# Altium PCB PCB.PcbDoc (part 2 of 4)
Units mil, origin at the board's own origin, x right, y up, seen from the top; angles counter-clockwise.
Board outline 6299.21 x 7637.8 mil, 2 copper layers (Top Layer, Bottom Layer); 456 components, 297 nets, 1240 pads, 557 vias.
Unrouted connection lines stored in the file: 247.
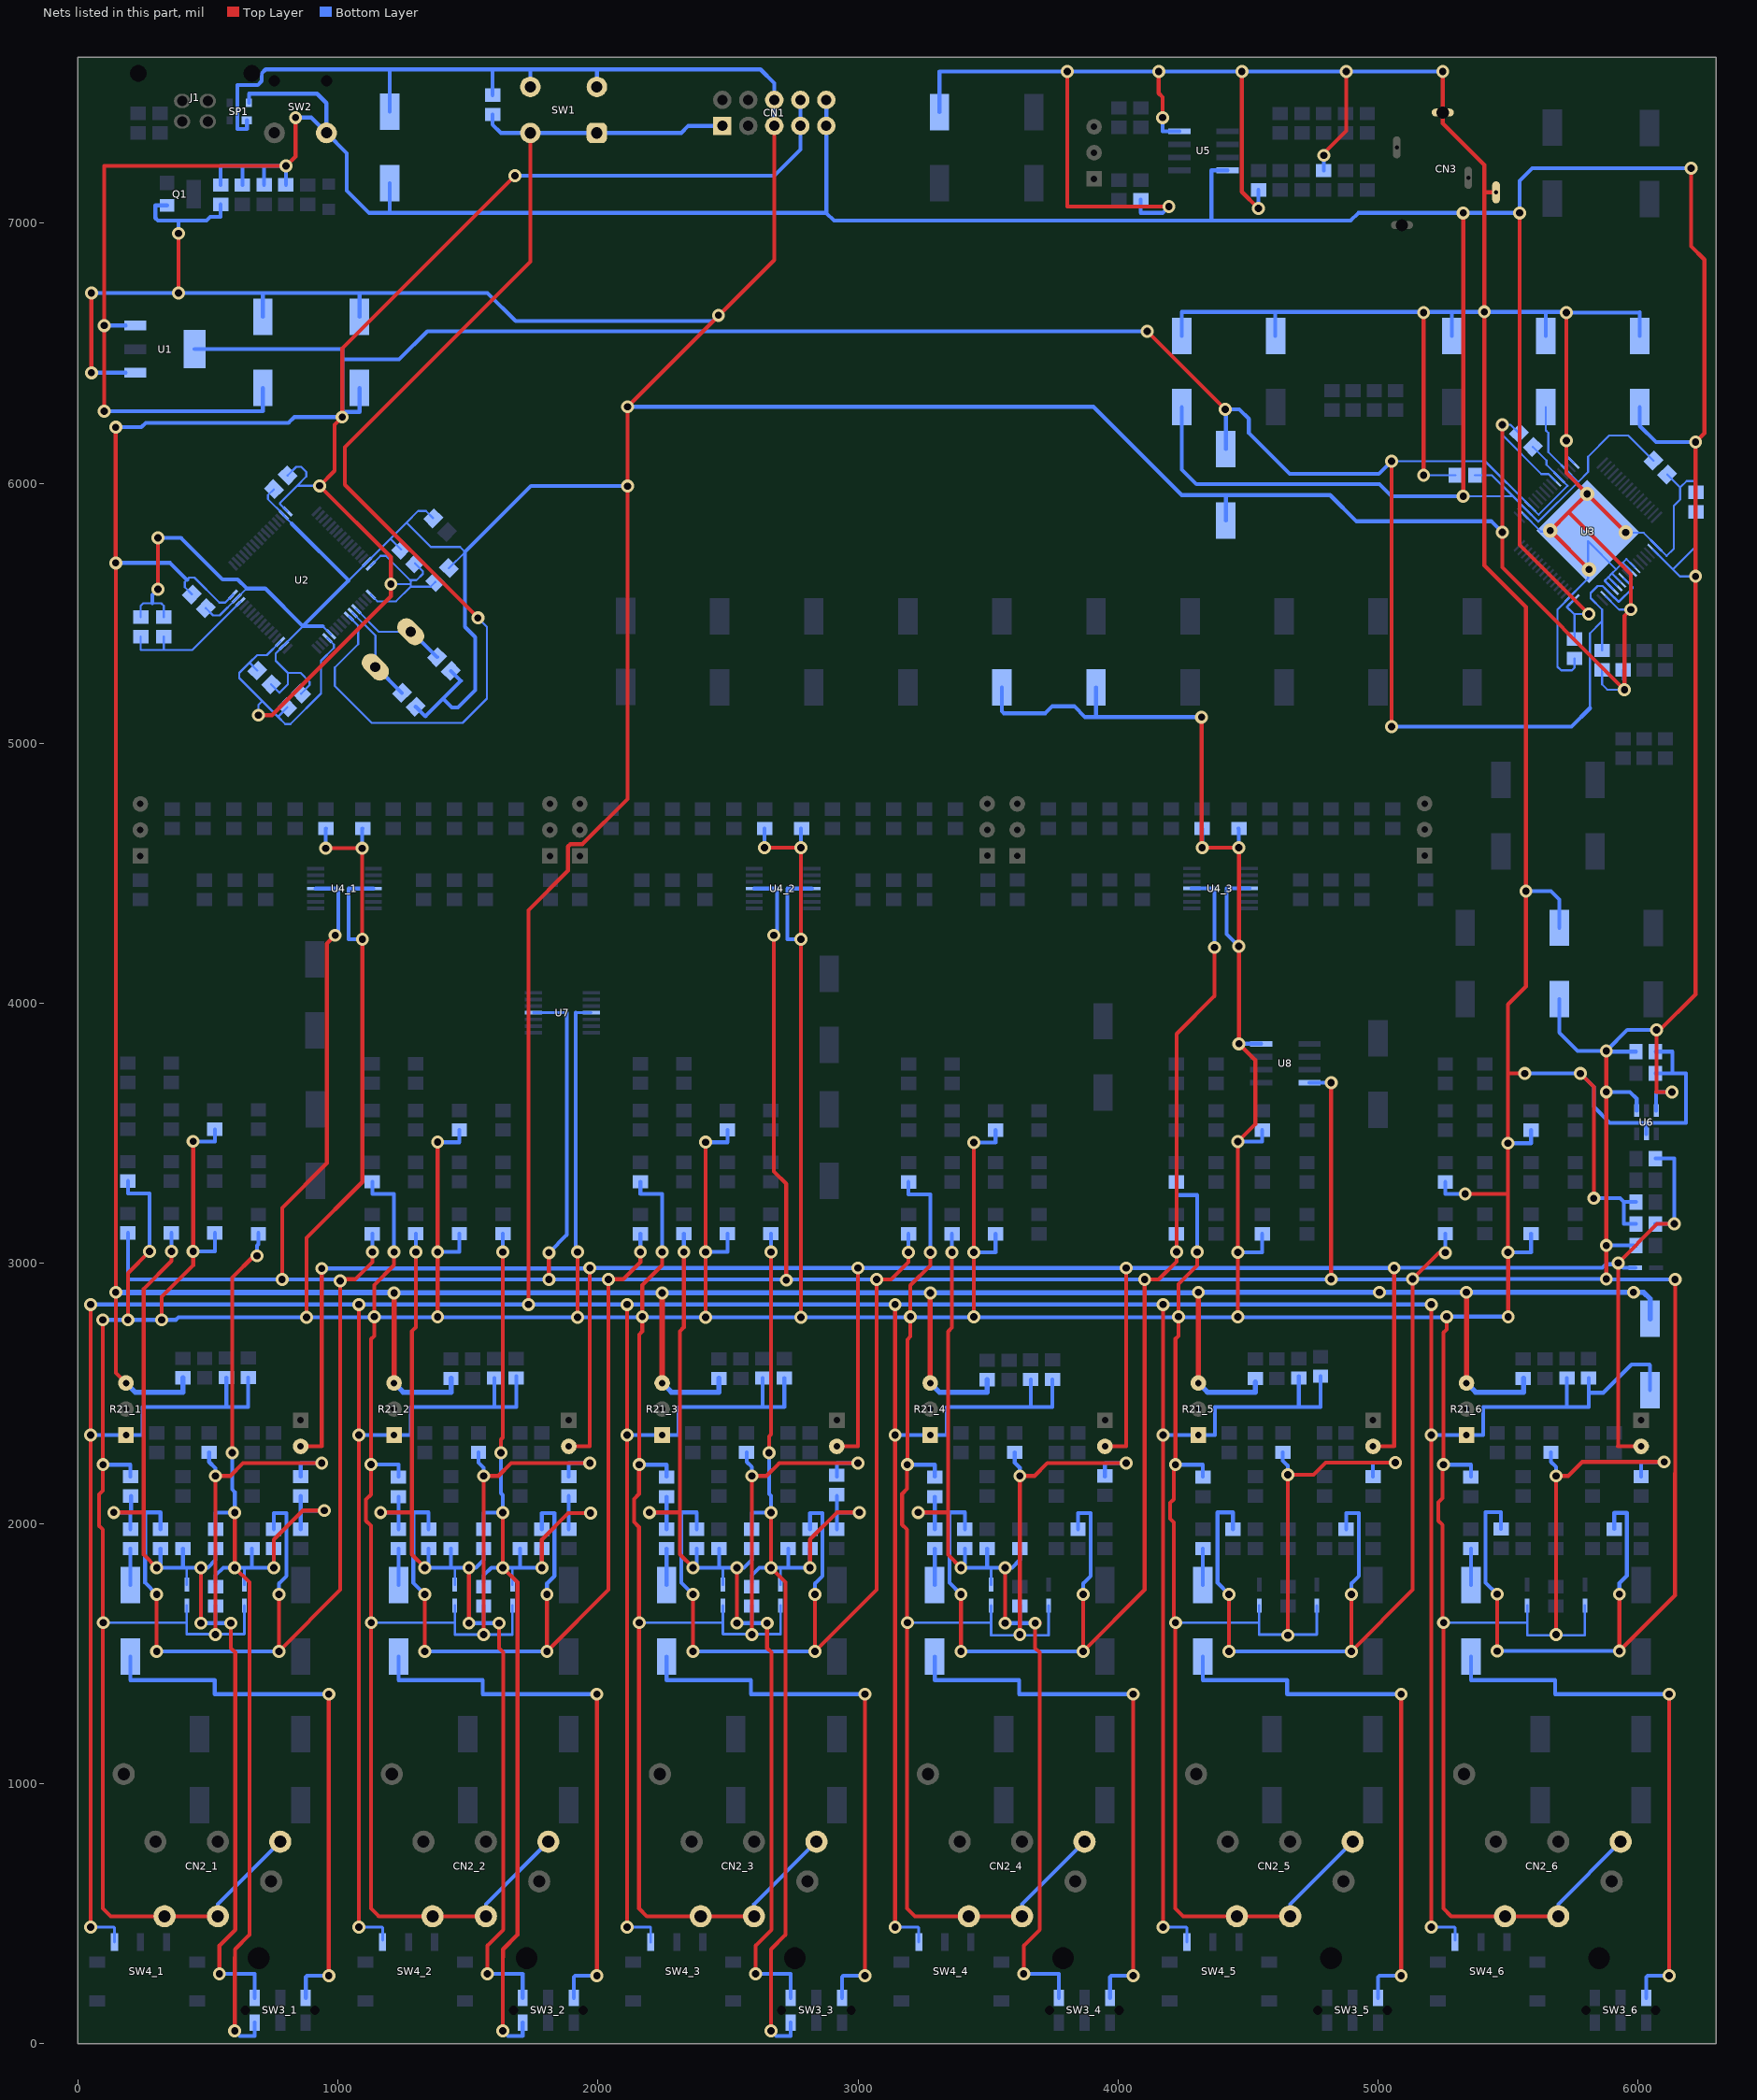
[diagram p2: the nets of this part, all layers, seen from the top]

## Part data
B1: "Conecta distintos planos de masa por una pista"
C3 C4 C5 C6 C7 C8 C9 C10 C11 C12 C13 C15 C17_1 C17_2 C17_3 C17_4 C17_5 C17_6 C21 C22 C25 C26 C29 C30 C49_1 C49_2 C49_3 C49_4 C49_5 C49_6 C50_1 C50_2 C50_3 C50_4 C50_5 C50_6 C51_1 C51_2 C51_3 C52_1 C52_2 C52_3 C53_1 C53_2 C53_3 C54_1 C54_2 C54_3 C55_1 C55_2 C55_3 C56_1 C56_2 C56_3 C59_1 C59_2 C59_3 C60_1 C60_2 C60_3 C61 C63 C66 C68 C69 C70 C71 C72 C73 C74 C75 C76 C77 C78 C79 C80 C81 C82 C83 C84 C85 C86 C87 C88 C89_1 C89_2 C89_3 C89_4 C89_5 C89_6 C90_1 C90_2 C90_3 C90_4 C90_5 C90_6 C91_1 C91_2 C91_3 C91_4 C91_5 C91_6 C92_1 C92_2 C92_3 C92_4 C92_5 C92_6 C93_1 C93_2 C93_3 C93_4 C93_5 C93_6: "Capacitor de placas paralelas", tolerancia=X7R, Encapsulado=0805, tension=25V, Valor=100nF
CN1: "STLINK V2 Mini"
D1: library part Led, Color=Verde, Cod. Proveedor=67-1549-1-ND, Encapsulado=SMD, Link=https://www.digikey.com/product-detail/es/SML-LX0603GW-TR/67-1549-1-ND/304360?utm_campaign=buynow&WT.z_cid=ref_octopart_dkc_buynow&utm_medium=aggregator&curr=usd&site=us&utm_source=octopart, Proveedor=Digi-Key
D2 D3_1 D3_2 D3_3 D3_4 D3_5 D3_6 D4_1 D4_2 D4_3 D4_4 D4_5 D4_6: library part "Schottky Diode", Cod. Proveedor=1727-5845-1-ND, Encapsulado=SOD-128, Fabricante=Nexperia, Link=https://www.digikey.com/product-detail/es/PMEG6010EP,115/1727-5845-1-ND/2697507?utm_campaign=buynow&WT.z_cid=ref_octopart_dkc_buynow&utm_medium=aggregator&curr=usd&site=us&utm_source=octopart, Proveedor=Digi-Key
J1: "Conector micro USB tipo B", Cod. Proveedor=CO4821095, Encapsulado="SMD B TYPE SIDE ENTRY", Proveedor=Elemon
L1: library part Inductor, Cod. Proveedor=478-7137-1-ND, Encapsulado=SMD, Fabricante="AVX Corporation", Link=https://www.digikey.com/product-detail/es/L0201R68AHSTR/500/478-7137-1-ND/3455469?utm_campaign=buynow&WT.z_cid=ref_octopart_dkc_buynow&utm_medium=aggregator&curr=usd&site=us&utm_source=octopart, Proveedor=Digi-Key, Valor=0.68nH
Q1: library part NPN, "NPN", Cod. Proveedor=1727-2918-1-ND, Encapsulado=TO-236AB, Fabricante="Nexperia USA Inc.", Link=https://www.digikey.com/products/es?keywords=1727-2918-1-ND, Proveedor=Digi-Key
R1 R8_1 R8_2 R8_3 R8_4 R8_5 R8_6 R9_1 R9_2 R9_3 R9_4 R9_5 R9_6 R10_1 R10_2 R10_3 R10_4 R10_5 R10_6 R24_1 R24_2 R24_3 R25_1 R25_2 R25_3 R26_1 R26_2 R26_3 R27_1 R27_2 R27_3 R28_1 R28_2 R28_3 R29_1 R29_2 R29_3 R30_1 R30_2 R30_3 R31_1 R31_2 R31_3 R34_1 R34_2 R34_3 R35_1 R35_2 R35_3 R36_1 R36_2 R36_3 R37_1 R37_2 R37_3 R38 R39 R40 R41 R42 R43 R44 R45 R46 R47 R48 R50 R75 R78 R81 R82 R83 R84 R85 R86 R87 R88 R89 R92 R93 R94 R95 R96 R97 R98 R99 R100 R103 R104 R105 R106 R107 R108 R109 R110 R111 R114 R115 R116 R117 R118 R119 R120 R121 R122 R125 R126 R127 R128 R129 R130 R131 R132 R133 R136 R137 R138 R139 R140 R141 R142 R143: "Resistencia", tolerancia=10%, Potencia=1/4W
  R1: Valor=10K
  R8_1 R8_2 R8_3 R8_4 R8_5 R8_6 R34_1 R34_2 R34_3 R35_1 R35_2 R35_3 R39 R43 R47 R81 R85 R92 R97 R103 R107 R114 R118 R125 R129 R136 R140: Valor=1K
  R9_1 R9_2 R9_3 R9_4 R9_5 R9_6: Valor=15K
  R10_1 R10_2 R10_3 R10_4 R10_5 R10_6: Valor=8K2
  R24_1 R24_2 R24_3 R25_1 R25_2 R25_3 R28_1 R28_2 R28_3 R29_1 R29_2 R29_3 R30_1 R30_2 R30_3 R31_1 R31_2 R31_3: Valor=1K5
  R26_1 R26_2 R26_3 R27_1 R27_2 R27_3 R36_1 R36_2 R36_3 R37_1 R37_2 R37_3 R84 R95 R106 R117 R128 R139: Valor=47
  R38 R48 R78 R88 R89 R96 R100 R110 R111 R121 R122 R132 R133 R143: Valor=5K6
  R40 R44 R82 R86 R93 R98 R104 R108 R115 R119 R126 R130 R137 R141: Valor=6K8
  R41 R45: Valor=360R
  R42: Valor=4K7
  R46: Valor=47R
  R50: Valor=100R
  R75: Valor=1M
  R83 R87 R94 R99 R105 R109 R116 R120 R127 R131 R138 R142: Valor=360
R2 R3 R4 R5 R6 R7 R11 R22_1 R22_2 R22_3 R22_4 R22_5 R22_6 R23_1 R23_2 R23_3 R23_4 R23_5 R23_6 R51 R52 R53 R54 R55 R56 R57 R58 R59 R60 R61 R62 R63 R64 R65 R66 R67 R68 R69 R70 R71 R72 R73 R74 R76 R77 R79 R80 R90 R91 R101 R102 R112 R113 R123 R124 R134 R135 R144_1 R144_2 R144_3 R144_4 R144_5 R144_6 R145_1 R145_2 R145_3 R145_4 R145_5 R145_6 R146_1 R146_2 R146_3 R146_4 R146_5 R146_6 R147_1 R147_2 R147_3 R147_4 R147_5 R147_6: "Resistencia", tolerancia=5%
  R2: Potencia=1/10W, Valor=330R
  R3: Potencia=1/10W, Valor=47k
  R4 R5 R6 R7: Potencia=1/10W, Valor=22R
  R11: Potencia=1/10W, Valor=220K
  R22_1 R22_2 R22_3 R22_4 R22_5 R22_6 R144_1 R144_2 R144_3 R144_4 R144_5 R144_6 R147_1 R147_2 R147_3 R147_4 R147_5 R147_6: Potencia=1/4W, Valor=1K
  R23_1 R23_2 R23_3 R23_4 R23_5 R23_6: Potencia=1/4W, Valor=15K
  R51 R52 R53 R54 R55 R56 R57 R58 R59 R60 R61 R62 R63 R64 R65 R66 R67 R68 R69 R70 R71 R72 R73 R74 R79 R80 R90 R91 R101 R102 R112 R113 R123 R124 R134 R135: Potencia=1/4W, Valor=1M
  R76: Potencia=1/4W, Valor=33K
  R77: Potencia=1/4W, Valor=1K8
  R145_1 R145_2 R145_3 R145_4 R145_5 R145_6: Potencia=1/4W, Valor=6K8
  R146_1 R146_2 R146_3 R146_4 R146_5 R146_6: Potencia=1/4W, Valor="6 K8"
R12 R13 R14 R15 R16 R17 R18 R19 R20: "Resistencia", Potencia=1/10W, Valor=100R
R21_1 R21_2 R21_3 R21_4 R21_5 R21_6 R32_1 R32_2 R32_3 R33_1 R33_2 R33_3 R49: library part Potenciometer, tolerancia=10%, Potencia=1/4W, Valor=10K
SP1: library part "Double ESD", "Double rail-to-rail ESD protection diode", Cod. Proveedor=1727-3884-1-ND, Encapsulado=SOT-143B, Link=https://www.digikey.com/product-detail/es/PRTR5V0U2X,215/1727-3884-1-ND/1589981?utm_campaign=buynow&WT.z_cid=ref_octopart_dkc_buynow&utm_medium=aggregator&curr=usd&site=us&utm_source=octopart, Proveedor=Digi-Key
SW1 SW5_1 SW5_2 SW5_3 SW5_4 SW5_5 SW5_6: "Pulsador de 4 pines"
  SW5_1 SW5_2 SW5_3 SW5_4 SW5_5 SW5_6: Cod. Proveedor=GH1365-ND, Encapsulado="Montaje en panel, posterior", Fabricante="Grayhill Inc.", Link=https://www.digikey.com/product-detail/es/30-3/GH1365-ND/686796?utm_campaign=buynow&WT.z_cid=ref_octopart_dkc_buynow&utm_medium=aggregator&curr=usd&site=us&utm_source=octopart, Proveedor=Digi-Key
SW4_1 SW4_2 SW4_3 SW4_4 SW4_5 SW4_6: library part SWITCH_3, "Pulsador de 4 pines", Cod. Proveedor=563-1246-1-ND, Encapsulado=SMD, Fabricante="Nidec Copal Electronics", Link=https://www.digikey.com/product-detail/en/nidec-copal-electronics/CFPA-1FB4-A2T/563-1246-1-ND/2357767, Proveedor=Digi-Key
U1: "LDO Regulator", Cod. Proveedor=LM1117IMP-ADJ/NOPBCT-ND, Encapsulado=SOT-223-4, Fabricante="Texas Instruments", Link=https://www.digikey.com/product-detail/es/LM1117IMP-ADJ-NOPB/LM1117IMP-ADJ-NOPBCT-ND/483060?utm_campaign=buynow&WT.z_cid=ref_octopart_dkc_buynow&utm_medium=aggregator&curr=usd&site=us&utm_source=octopart, Proveedor=Digi-Key
U2: library part STM32F4xxR2, Manufacturer=STMicroelectronics, Manufacturer_Part_Number=stm32f4xxr2, _BOOT0="conectado a VDD o DGND a traves de R=10K", _BOOT0=0="0: Main Flash memory is selected as boot space", _BOOT0=1="1: System memory is selected as boot space", _VDD="Capa de 100nF", Cod. Proveedor=497-17428-ND, Encapsulado=64-LQFP, Link=https://www.digikey.com/product-detail/es/STM32F401RBT6/497-17428-ND/4755972?utm_campaign=buynow&WT.z_cid=ref_octopart_dkc_buynow&utm_medium=aggregator&curr=usd&site=us&utm_source=octopart, Proveedor=Digi-Key, Vendor=STMicroelectronics
U3: library part PCM3168A-Q1_PAP_, Manufacturer="Texas Instruments", Manufacturer_Part_Number=PCM3168A-Q1_PAP_64, Vendor="Texas Instruments"
U4_1 U4_2 U4_3 U7: library part Opamp_x4, "Integrado con 4 operacionales", Cod. Proveedor=296-22024-1-ND, Encapsulado=8-SOIC, Fabricante="Texas Instruments", Link=https://www.digikey.com/product-detail/es/OPA2134UA-2K5/296-22024-1-ND/301154?utm_campaign=buynow&WT.z_cid=ref_octopart_dkc_buynow&utm_medium=aggregator&curr=usd&site=us&utm_source=octopart, Proveedor=Digi-Key
U5: "Integrado con 2 operacionales"
U6: "Low IQ Boost/SEPIC/Inverting Converter with 1A, 60V Switch", Cod. Proveedor=LT8330ES6#TRMPBFCT-ND, Encapsulado=TSOT-23-6, Fabricante="Linear Technology/Analog Devices", Link=https://www.digikey.com/product-detail/es/LT8330ES6%2523TRMPBF/LT8330ES6%2523TRMPBFCT-ND/5361671?utm_campaign=buynow&WT.z_cid=ref_octopart_dkc_buynow&utm_medium=aggregator&curr=usd&site=us&utm_source=octopart, Proveedor=Digi-Key
U8: library part Opamp_x2, "Integrado con 2 operacionales", Cod. Proveedor=296-22024-1-ND, Encapsulado=8-SOIC, Fabricante="Texas Instruments", Link=https://www.digikey.com/product-detail/es/OPA2134UA-2K5/296-22024-1-ND/301154?utm_campaign=buynow&WT.z_cid=ref_octopart_dkc_buynow&utm_medium=aggregator&curr=usd&site=us&utm_source=octopart, Proveedor=Digi-Key
Y1: "Resonador cerámico", frecuencia=8MHZ
C1 C2 C14 C16_1 C16_2 C16_3 C16_4 C16_5 C16_6 C18_1 C18_2 C18_3 C18_4 C18_5 C18_6 C19 C20 C23 C24 C27 C28 C31 C32 C33 C34 C35 C36 C37 C38 C39 C40 C41 C42 C43 C44 C45 C46 C47_1 C47_2 C47_3 C47_4 C47_5 C47_6 C48_1 C48_2 C48_3 C48_4 C48_5 C48_6 C57_1 C57_2 C57_3 C58_1 C58_2 C58_3 C62 C64 C65 C67: tension=16V, Valor=10uF
SW2: Cod. Proveedor=EG2615-ND, Encapsulado=SMD, Fabricante=E-Switch, Link=https://www.digikey.com/product-detail/en/e-switch/800SP9B6M6RE/EG2615-ND/502079, Proveedor=Digi-Key
SW3_1 SW3_2 SW3_3 SW3_4 SW3_5 SW3_6: Cod. Proveedor=CKN10722TR-ND, Encapsulado=SMD, Fabricante=C&K, Link=https://www.digikey.com/product-detail/en/c-k/JS202011JAQN/CKN10722TR-ND/6137629, Proveedor=Digi-Key

## Via types
v1: diameter 50, hole 28, Top Layer to Bottom Layer, 553 vias
v2: diameter 55.12, hole 27.56, Top Layer to Bottom Layer, 4 vias

## Nets (pads, with @x,y where several pads share a name; then routed paths per layer and width w, separated by ;. In a path a pad name is that pad's centre, name@x,y a point inside that pad or via, vN(x,y) a via of type N, cw(c..) or ccw(c..) an arc to the next point about the centre after c; other vN are vias at no path point)
3V3_D: C2.1 C3.1 C4.1 C7.1 C8.1 C9.1 C10.1 C20.1 C22.1 C24.1 C26.1 CN1.7 CN1.8 R21_1.3 R21_2.3 R21_3.3 R21_4.3 R21_5.3 R21_6.3 R22_1.2 R22_2.2 R22_3.2 R22_4.2 R22_5.2 R22_6.2 U1.4 U2.1 U2.13 U2.19 U2.32 U2.48 U2.64 U3.4 U3.12 U3.42 U3.46 | length 30027
  Top Layer w15: v1@145.21,2888.74 145.21,2579.39 R21_1.3@184.55,2540.06 ; v1(145.18,2888.78) v1(145.18,2888.78) v1(145.23,5693.9) ; v1(145.23,5693.9) v1@145.18,6227.85 ; v1(693.9,5108.27) 745.57,5108.27 1203.25,5565.94 v1(1203.25,5612.7) 1203.25,5716.04 v1(928.89,5990.4) 986.71,6048.23 986.71,6225.39 v1(1016.24,6254.92) 1016.24,6518.21 v1(1680.61,7182.58) ; v1(4111.71,6584.65) v1(4411.91,6284.45) ; v1(5051.67,5063.98) v1(5051.67,6085.14)
  Top Layer w20: R21_2.3@1215.55,2540.06 v1(1215.55,2886.32) ; R21_3.3@2246.55,2540.06 v1(2246.55,2886.74) ; R21_4.3@3277.56,2540.06 v1(3277.56,2886.74) ; R21_5.3@4308.56,2540.06 v1(4308.56,2888.78) ; R21_6.3@5339.57,2540.06 v1(5339.57,2888.78)
  Bottom Layer w8: C8.1@438.61,5572.71 410.93,5600.39 410.93,5620.08 419.54,5628.69 428.15,5637.3 447.83,5637.3 543.8,5541.34 566.39,5541.34 U2.32@596.83,5571.78 ; C4.1@689.6,5279.89 659.45,5310.04 ; v1(693.9,5108.27) 693.9,5148.1 706.97,5161.17 709.89,5161.17 ; U2.19@777.79,5390.83 726.52,5339.57 688.98,5339.57 659.45,5310.04 ; C7.1@805.25,5138.42 768.95,5102.12 ; U2.48@805.62,5891.93 777.56,5920 777.56,5925.2 842.77,5990.4 ; C9.1@806.47,6030.38 839.07,6062.99 858.76,6062.99 878.44,6043.31 878.44,6026.08 842.77,5990.4 ; v1(928.89,5990.4) 842.77,5990.4 ; U2.13@958.74,5404.75 984.25,5379.24 984.25,5366.63 935.04,5317.42 935.04,5191.93 816.93,5073.82 797.24,5073.82 768.95,5102.12 ; U2.1@1125.77,5571.78 1151.29,5546.26 1222.93,5546.26 1279.53,5602.85 ; U2.64@1125.77,5683.14 1163.6,5720.96 1183.56,5720.96 1277.07,5627.46 1301.67,5627.46 1326.28,5652.07 1326.28,5661.91 C10.1@1296.13,5692.06 ; v1(1203.25,5612.7) 1279.53,5612.7 ; 1284.45,5627.46 1279.53,5622.54 1279.53,5612.7 ; C3.1@1373.65,5620.7 1355.81,5602.85 1279.53,5602.85 ; v1(5051.67,6085.14) 5411.14,6085.14 U3.4@5585.07,5911.21 5617.3,5878.98 5728.66,5990.33 U3.12@5696.43,6022.56 5647.15,6071.85 5647.15,6087.6 C26.1@5594.85,6139.89 ; 5814.47,5135.33 5814.47,5423.23 5858.76,5467.52 ; C22.1@5861.22,5357.28 5861.22,5514.27 5816.93,5558.56 5816.93,5578.25 5844,5605.31 5863.13,5605.31 U3.46@5889.91,5578.53 5924.64,5543.8 5925.2,5543.8 5979.33,5597.93 5979.33,5600.47 U3.42@5945.58,5634.21 ; 659.45,5310.04 620.08,5270.67 620.08,5250.98 709.89,5161.17 ; 709.89,5161.17 768.95,5102.12 ; 1279.53,5602.85 1279.53,5612.7
  Bottom Layer w15: v1(145.18,6215.55) 243.6,6215.55 260.83,6232.78 809.55,6232.78 831.69,6254.92 v1(1016.24,6254.92) v1@1016.24,6274.61 ; v1(145.23,5693.9) 354.33,5693.9 419.54,5628.69 ; U1.4@448.82,6515.75 1016.24,6515.75 1016.24,6476.38 ; C2.1@1082.67,6366.44 1082.67,6274.61 v1@1016.24,6274.61 ; v1(1680.61,7182.58) 2677.17,7182.58 2777.85,7283.27 CN1.7@2777.85,7374.51 CN1.8@2777.85,7474.51 ; v1(4111.71,6584.65) 1343.5,6584.65 1235.24,6476.38 1016.24,6476.38 ; C24.1@4414.37,6131.09 4414.37,6281.99 v1(4411.91,6284.45) 4466.04,6284.45 4502.95,6247.54 4502.95,6193.41 4660.43,6035.93 5002.46,6035.93 v1(5051.67,6085.14) ; v1@5066.44,5063.98 5743.11,5063.98 5814.47,5135.33 ; v1@1016.24,6274.61 1016.24,6476.38
  Bottom Layer w20: v1(145.18,2888.78) 145.92,2888.04 1214.81,2888.04 v1@1215.55,2888.78 ; R21_1.3@184.55,2540.06 219.69,2504.92 403.54,2504.92 R22_1.2@403.54,2560.14 ; R21_2.3@1215.55,2540.06 1250.69,2504.92 1434.55,2504.92 R22_2.2@1434.55,2557.68 ; v1(1215.55,2886.32) 1216.26,2887.03 2129.86,2887.03 2130.15,2886.74 v1(2246.55,2886.74) 2246.84,2887.03 3160.86,2887.03 3161.15,2886.74 v1(3277.56,2886.74) 3277.84,2887.03 4191.87,2887.03 4192.15,2886.74 v1@4308.56,2886.74 ; R21_3.3@2246.55,2540.06 2281.69,2504.92 2465.55,2504.92 R22_3.2@2465.55,2557.68 ; R21_4.3@3277.56,2540.06 3312.7,2504.92 3496.56,2504.92 R22_4.2@3496.56,2552.76 ; R21_5.3@4308.56,2540.06 4343.7,2504.92 4527.56,2504.92 R22_5.2@4527.56,2542.91 ; v1(4308.56,2888.78) v1(5004.92,2888.78) v1(5339.57,2888.78) v1(5981.79,2888.78) 6021.16,2888.78 6045.77,2864.17 C20.1@6045.77,2787.1 ; R21_6.3@5339.57,2540.06 5374.7,2504.92 5558.56,2504.92 R22_6.2@5558.56,2557.68
5V: C1.1 C14.1 C15.1 C19.1 C21.1 C23.1 C25.1 C27.1 C28.1 C29.1 C30.1 C68.1 CN1.9 CN1.10 L1.1 R2.2 R3.2 R4.1 R51.1 R53.1 R55.1 R57.1 R59.1 R61.1 R63.1 R65.1 R67.1 R69.1 R71.1 R73.1 R79.1 R90.1 R101.1 R112.1 R123.1 R134.1 SP1.4 SW2.2 U1.3 U3.3 U3.14 U3.34 U3.49 U4_1.4 U4_2.4 U4_3.4 U5.4 U6.4 U6.6 U7.4 U8.8 | length 57050.8
  Top Layer w15: v1@302.66,1510.83 v1(302.66,1727.36) ; v1(772.64,1727.36) v1(772.64,1508.37) 1008.86,1744.59 v1(1008.85,2933.04) ; v1(784.94,2937.99) 784.94,3213.58 957.18,3385.83 957.18,4229.82 v1(989.17,4261.81) ; v1(836.61,7406.5) 836.61,7257.19 v1(799.7,7220.28) 100.89,7220.28 v1(100.89,6606.79) v1@100.89,6589.57 ; v1@1008.86,2938.98 1065.45,2938.98 1131.89,3005.41 v1(1131.89,3043.8) ; v1@1333.66,1510.83 v1(1333.66,1727.36) ; v1(1803.64,1727.36) v1(1803.64,1508.37) 2039.86,1744.59 v1(2039.86,2937.99) ; v1@1811,2933.04 v1(1811,2937.99) v1(1811,3041.32) ; v1@2039.86,2938.98 2096.46,2938.98 2162.89,3005.41 v1(2162.89,3043.8) ; v1@2364.67,1510.83 v1(2364.67,1727.36) ; v1(2676.04,4261.81) 2676.04,3353.84 2723.92,3305.97 v1(2723.92,2935.53) ; v1(2834.65,1727.36) v1(2834.65,1508.37) 3070.87,1744.59 v1(3070.87,2937.99) 3127.46,2937.99 3193.9,3004.43 v1(3193.9,3042.81) ; v1@3395.67,1510.83 v1(3395.67,1727.36) ; v1(3865.65,1727.36) v1(3865.65,1508.37) 4101.87,1744.59 v1(4101.87,2937.99) 4156,2937.99 4224.76,3006.75 v1(4224.76,3043.94) 4224.76,3882.74 4370.57,4028.54 v1(4370.57,4215.06) ; v1@4424.21,1508.37 4426.67,1510.83 v1(4426.67,1727.36) ; v1(4819.19,2939.27) v1(4819.19,3694.68) ; v1(4896.65,1727.36) v1(4896.65,1508.37) 5132.87,1744.59 v1(5132.87,2940.45) 5233.76,3041.34 v1(5258.37,3041.34) ; v1(5327.26,5949.8) v1(5327.26,7039.86) ; v1@5457.68,1511.62 v1(5457.68,1728.16) ; v1(5543.8,7039.86) 5543.8,5762.8 v1(5809.55,5497.05) ; v1@5877.34,2926.8 v1(5877.34,2940.45) v1(5877.34,3659.54) v1(5877.34,3817.02) ; v1(5927.66,1728.16) v1(5927.66,1509.16) 6141.73,1723.24 6141.73,2192.42 6142.4,2193.09 6142.4,2937.32 v1(6141.73,2937.99) ; 6069.79,3659.54 6070.37,3658.96 ; v1(6129.43,3658.96) 6070.37,3658.96 ; v1(6203.25,7212.11) 6203.25,6911.91 6254.92,6860.24 6254.92,6192.85 v1(6220.47,6158.4) v1(6220.47,5642.22) 6220.47,4034.91 6078.28,3892.72 6073.36,3897.64 v1(6070.37,3897.64) 6070.37,3658.96 ; v1@100.89,6589.57 v1(100.89,6277.07) v1@100.89,6589.57
  Bottom Layer w8: v1(5327.26,5949.8) 5518.64,5949.8 ; C25.1@5372.05,6031 5437.44,6031 5518.64,5949.8 ; C27.1@5644.69,6292.63 5644.69,6203.25 5654.53,6193.41 5654.53,6120.14 U3.14@5724.27,6050.4 5769.22,6005.44 ; U3.49@5752.1,5550.7 5725.89,5524.48 5753.31,5497.05 ; C29.1@5755.41,5401.57 5755.41,5494.95 5753.31,5497.05 ; v1(5809.55,5497.05) 5753.31,5497.05 ; U3.34@6056.94,5745.57 6133.22,5669.29 ; C30.1@6058.69,6086.98 5962.11,6183.56 5888.29,6183.56 5807.09,6102.36 5807.09,6043.31 5769.22,6005.44 ; v1(6220.47,5642.22) 6160.28,5642.22 6133.22,5669.29 ; C21.1@6222.93,5890.26 6222.93,5759.01 6133.22,5669.29 ; 5518.64,5949.8 U3.3@5571.15,5897.29 5616.11,5852.33 5769.22,6005.44
  Bottom Layer w10: U7.4@1751.7,3964.07 1879.92,3964.07
  Bottom Layer w15: v1(100.89,6277.07) 123.03,6277.07 711.12,6277.06 C1.1@711.12,6366.44 ; v1(100.89,6606.79) 183.07,6606.79 U1.3@183.56,6606.3 ; R79.1@191.93,3117.13 191.93,2937.99 452.76,2937.99 453.34,2938.57 453.34,2937.99 v1(784.94,2937.99) v1@1008.86,2937.99 ; v1(302.66,1508.37) v1(772.64,1508.37) ; v1(302.66,1727.36) 258.37,1771.65 258.37,2042.32 317.42,2042.32 R51.1@317.42,1978.04 ; C15.1@548.72,7146.96 548.72,7220.28 632.38,7220.28 ; R3.2@632.38,7146.96 632.38,7220.28 ; SP1.4@657.48,7462.9 657.48,7498.33 919.48,7498.33 955.41,7462.4 SW2.2@955.41,7347.55 ; R4.1@715.94,7147.64 715.94,7220.28 ; R53.1@752.95,1978.04 752.95,2039.86 801.3,2039.86 801.3,1797.85 772.64,1769.19 v1(772.64,1727.36) ; R2.2@799.6,7147.64 799.7,7147.75 v1(799.7,7220.28) 715.94,7220.28 ; v1(836.61,7406.5) 896.46,7406.5 SW2.2@955.41,7347.55 ; U4_1.4@913.74,4441.44 1001.48,4441.44 1001.48,4274.11 v1(989.17,4261.81) ; v1(1008.85,2933.04) v1@1008.85,2937.98 ; v1(1131.89,3043.8) R90.1@1131.89,3114.67 ; C14.1@1198.33,7154.64 1198.33,7039.86 ; v1(1333.66,1508.37) v1(1803.64,1508.37) ; v1(1333.66,1727.36) 1289.37,1771.65 1289.37,2042.32 1348.43,2042.32 R55.1@1348.43,1978.04 ; R57.1@1783.96,1978.04 1783.96,2039.86 1832.3,2039.86 1832.3,1797.85 1803.64,1769.19 v1(1803.64,1727.36) ; v1(1811,3041.32) 1879.92,3110.24 1879.92,3964.07 ; v1(2162.89,3043.8) R101.1@2162.89,3114.67 ; v1(2364.67,1508.37) v1(2834.65,1508.37) ; v1(2364.67,1727.36) 2320.37,1771.65 2320.37,2042.32 2379.43,2042.32 R59.1@2379.43,1978.04 ; U4_2.4@2600.61,4441.44 2688.35,4441.44 v1@2688.35,4274.11 ; R61.1@2814.96,1978.04 2814.96,2039.86 2863.31,2039.86 2863.31,1797.85 2834.65,1769.19 v1(2834.65,1727.36) ; CN1.10@2877.85,7474.51 CN1.9@2877.85,7374.51 2877.85,7039.86 ; v1(3193.9,3042.81) R112.1@3193.9,3113.68 ; v1(3395.67,1508.37) v1(3865.65,1508.37) ; v1(3395.67,1727.36) 3351.38,1771.65 3351.38,2042.32 3410.43,2042.32 R63.1@3410.43,1978.04 ; R65.1@3845.96,1978.04 3845.96,2039.86 3894.31,2039.86 3894.31,1797.85 3865.65,1769.19 v1(3865.65,1727.36) ; v1(4224.76,3043.94) R123.1@4224.76,3113.68 ; C28.1@4244.59,6292.63 4244.59,6053.15 4301.18,5996.56 5004.92,5996.56 5051.67,5949.8 v1(5327.26,5949.8) ; U4_3.4@4282.84,4441.93 4370.57,4441.93 v1(4370.57,4215.06) ; U5.4@4421.25,7203.54 4359.05,7203.54 4359.05,7010.33 ; v1@4424.21,1508.37 v1(4426.67,1508.37) v1(4896.65,1508.37) ; v1(4426.67,1727.36) 4382.38,1771.65 4382.38,2042.32 4441.44,2042.32 R67.1@4441.44,1978.04 ; U8.8@4736.21,3694.68 v1(4819.19,3694.68) ; v1@4817.91,2937.85 1044.03,2937.85 1043.89,2937.99 v1@1008.86,2937.99 ; v1@4819.19,2937.85 v1@5132.87,2937.85 ; R69.1@4876.97,1978.04 4876.97,2039.86 4925.31,2039.86 4925.31,1797.85 4896.65,1769.19 v1(4896.65,1727.36) ; v1(5132.87,2940.45) v1(5877.34,2940.45) 5879.8,2937.99 v1(6141.73,2937.99) ; v1(5258.37,3041.34) R134.1@5258.37,3114.67 ; v1(5457.68,1509.16) v1(5927.66,1509.16) ; v1(5457.68,1728.16) 5413.39,1772.45 5413.39,2043.12 5472.44,2043.12 R71.1@5472.44,1978.84 ; C19.1@5696.36,4016.54 5696.36,3887.8 5767.14,3817.02 v1(5877.34,3817.02) 5957.96,3897.64 v1(6070.37,3897.64) ; v1(5877.34,3068.99) 5990.56,3068.99 L1.1@5991.14,3068.41 ; v1(5877.34,3659.54) 5968,3659.54 5994.09,3633.44 U6.4@5994.09,3587.6 ; v1@5879.8,3814.56 C68.1@5991.61,3814.56 ; R73.1@5907.97,1978.84 5907.97,2040.66 5956.32,2040.66 5956.32,1798.65 5927.66,1769.99 v1(5927.66,1728.16) ; C23.1@6006.4,6292.63 6006.4,6220.47 6068.47,6158.4 v1(6220.47,6158.4) ; U6.6@6068.9,3587.6 6068.9,3658.96 v1(6129.43,3658.96) ; v1(6203.25,7212.11) 5593.01,7212.11 5543.8,7162.89 v1(5543.8,7039.86) v1(5327.26,7039.86) 4923.72,7039.86 4894.19,7010.33 4359.05,7010.33 ; 632.38,7220.28 715.94,7220.28 ; SW2.2@955.41,7347.55 1033.46,7269.5 1033.46,7125.98 1119.59,7039.86 1198.33,7039.86 ; 1198.33,7039.86 2877.85,7039.86 ; 2877.85,7039.86 2907.38,7010.33 4359.05,7010.33
48V: C69.1 D2.1 R75.2 SW5_1.2 SW5_2.2 SW5_3.2 SW5_4.2 SW5_5.2 SW5_6.2 | length 10373.2
  Top Layer w15: SW5_1.2@856.3,2296.65 937.5,2296.65 v1(937.5,2980.49) ; SW5_2.2@1887.3,2296.65 1968.5,2296.65 v1(1968.5,2982.28) ; SW5_3.2@2918.31,2296.65 2999.51,2296.65 v1(2999.51,2982.28) ; SW5_4.2@3949.31,2296.65 4030.51,2296.65 v1(4030.51,2982.28) ; SW5_5.2@4980.31,2296.65 5061.52,2296.65 v1(5061.52,2982.28) ; SW5_6.2@6011.32,2296.65 5922.16,2296.65 5922.74,2297.23 v1(5922.74,3001.97) 6072.83,3152.07 v1(6139.27,3152.07)
  Bottom Layer w15: v1(937.5,2980.49) v1@1968.5,2980.49 ; v1(1968.5,2982.28) v1(2999.51,2982.28) v1(4030.51,2982.28) v1(5061.52,2982.28) 5062.19,2982.95 5861.89,2982.95 5875.98,2997.05 5909.94,2997.05 v1@5922.16,2984.83 ; v1(5922.74,3001.97) 5941.84,2982.86 D2.1@5988.77,2982.86 ; C69.1@6065.95,3152.07 v1(6139.27,3152.07) 6139.27,3403.49 R75.2@6066.42,3403.49
AGND: B1.1 C19.2 C21.2 C23.2 C25.2 C27.2 C28.2 C29.2 C30.2 C31.2 C32.2 C35.2 C36.2 C59_1.2 C59_2.2 C59_3.2 C60_1.2 C60_2.2 C60_3.2 C66.2 C67.2 C68.2 C69.2 C70.2 C73.2 C77.2 C79.2 C82.2 C85.2 C88.2 C91_1.2 C91_2.2 C91_3.2 C91_4.2 C91_5.2 C91_6.2 CN2_1.1 CN2_1.G CN2_1.S CN2_2.1 CN2_2.G CN2_2.S CN2_3.1 CN2_3.G CN2_3.S CN2_4.1 CN2_4.G CN2_4.S CN2_5.1 CN2_5.G CN2_5.S CN2_6.1 CN2_6.G CN2_6.S CN3.1 CN3.2 D3_1.2 D3_2.2 D3_3.2 D3_4.2 D3_5.2 D3_6.2 D4_1.2 D4_2.2 D4_3.2 D4_4.2 D4_5.2 D4_6.2 R47.1 R48.1 R52.2 R54.2 R56.2 R58.2 R60.2 R62.2 R64.2 R66.2 R68.2 R70.2 R72.2 R74.2 R77.1 R80.2 R88.1 R91.2 R100.1 R102.2 R110.1 R113.2 R121.1 R124.2 R132.1 R135.2 R143.1 U3.2 U3.16 U3.33 U3.39 U3.40 U3.43 U3.44 U3.45 U3.50 U3.EPAD U4_1.11 U4_2.11 U4_3.11 U5.8 U6.2 U7.11 U8.4 | length 73942.2
  Top Layer w8: 5797.24,5824.31 B1.1@5804.63,5816.93
  Top Layer w15: v1@95.58,1618.3 95.58,519.57 125.87,489.28 CN2_1.S@332.8,489.28 CN2_1.G@537.8,489.28 ; v1@95.58,1619.09 95.58,1976.27 81.2,1990.65 81.2,2111.22 95.58,2125.6 v1@95.58,2226.07 ; v1(95.96,2782.97) 95.96,2226.49 v1(96.38,2226.07) ; v1@191.93,2795.28 191.93,2962.6 v1(275.59,3046.26) ; v1(322.34,2782.97) 322.34,2871.56 442.91,2992.13 v1(442.91,3046.26) v1(442.91,3469.49) ; v1(529.03,1572.32) v1(529.04,2182.58) ; v1(529.04,2182.58) 585.63,2182.58 634.84,2231.79 v1(937.5,2231.79) ; v1(878.44,2792.82) 878.44,3097.93 1093.64,3313.13 v1(1093.64,4247.05) 1092.52,4248.17 v1(1092.52,4596.46) v1(952.26,4596.46) ; v1@1126.59,1618.3 1126.59,519.57 1156.88,489.28 CN2_2.S@1363.8,489.28 CN2_2.G@1568.8,489.28 ; v1@1126.59,1619.09 1126.59,1991.03 1107.28,2010.33 1107.28,2091.54 1126.59,2110.84 v1@1126.59,2226.07 ; v1(1126.97,2226.87) 1126.97,2709.15 1139.27,2721.46 v1(1139.27,2795.28) 1139.27,2916.83 1215.55,2993.11 v1(1215.55,3043.8) ; v1(1382.87,2794.86) v1(1382.87,3043.8) v1(1382.87,3467.03) ; v1(1560.03,1572.32) v1(1560.04,2182.58) ; v1(1560.04,2182.58) 1616.63,2182.58 1665.85,2231.79 v1(1968.5,2231.79) ; v1(1921.75,2792.82) v1(1921.75,3043.8) ; v1@2157.59,1618.3 2157.59,519.57 2187.88,489.28 CN2_3.S@2394.8,489.28 CN2_3.G@2599.8,489.28 ; v1@2157.59,1619.09 2157.59,1986.11 2138.29,2005.41 2138.29,2094 2157.59,2113.3 v1@2157.59,2226.07 ; v1(2158.39,2226.07) 2158.39,2726.79 2170.28,2738.68 v1(2170.28,2795.28) 2170.28,2916.83 2246.56,2993.11 v1(2246.56,3043.8) ; v1(2413.88,2792.82) v1(2413.88,3043.8) v1(2413.88,3466.04) ; v1(2591.04,1572.32) v1(2591.04,2182.58) ; v1(2591.04,2182.58) 2647.64,2182.58 2696.85,2231.79 v1(2999.51,2231.79) ; v1(2640.26,4598.92) 2768.21,4598.92 v1@2780.51,4611.22 ; v1(2780.51,2792.82) v1(2780.51,4598.92) ; v1@3188.59,1618.3 3188.59,519.57 3218.89,489.28 CN2_4.S@3425.81,489.28 CN2_4.G@3630.81,489.28 ; v1@3188.59,1619.09 3188.59,1976.27 3169.29,1995.57 3169.29,2113.68 3188.59,2132.98 v1@3188.59,2226.07 ; v1(3189.39,2226.07) 3189.39,2707.11 3201.28,2719 v1(3201.28,2795.28) 3201.28,2915.85 3277.56,2992.13 v1(3277.56,3042.81) ; v1@3444.88,2782.97 v1(3444.88,3042.81) v1(3444.88,3465.06) ; v1(3622.04,1572.32) v1(3622.05,2182.58) ; v1(3622.05,2182.58) 3678.64,2182.58 3727.85,2231.79 v1(4030.51,2231.79) ; v1(3804.13,7583.66) 3804.13,7064.47 v1(4195.37,7064.47) ; v1(4156,7583.66) 4156,7500 4170.77,7485.24 v1(4170.77,7406.5) ; v1@4219.6,1618.3 4219.6,519.57 4249.89,489.28 CN2_5.S@4456.81,489.28 CN2_5.G@4661.81,489.28 ; v1@4219.6,1619.09 4213.93,1624.76 4213.93,2004.08 4200.3,2017.72 4200.3,2079.23 4213.93,2092.87 4213.93,2220.41 v1@4219.6,2226.07 ; v1(4220.39,2226.07) 4220.39,2709.57 4232.28,2721.46 v1(4232.28,2795.28) 4232.28,2920.77 4303.64,2992.13 v1(4303.64,3043.8) ; v1(4320.87,5100.89) 4320.87,4615.02 4323.33,4612.56 v1(4323.33,4598.92) 4449.94,4598.92 4462.74,4611.71 4464.76,4609.69 v1@4464.76,4219.98 ; v1@4460.57,2781.06 v1(4460.57,3042.81) v1(4460.57,3468.5) 4527.56,3535.49 4527.56,3781.89 v1(4464.76,3844.68) v1@4464.76,4219.98 ; v1(4463.58,4219.98) v1@4464.76,4219.98 ; v1(4475.88,7583.66) 4475.88,7121.06 v1(4539.86,7057.09) ; v1@4653.04,1572.34 4653.04,2187.49 4751.48,2187.5 4798.23,2234.25 v1(5066.44,2234.25) ; v1(4790.81,7261.23) 4790.81,7268.74 4876.97,7354.89 v1(4876.97,7583.66) ; v1(5174.64,6655.92) 5174.64,6031.07 v1(5174.7,6031) ; v1(5248.52,7583.66) CN3.1@5248.52,7425.92 5248.52,7384.35 5408.46,7224.41 5408.46,7118.92 ; v1@5250.6,1618.3 5250.6,519.57 5280.89,489.28 CN2_6.S@5487.81,489.28 CN2_6.G@5692.81,489.28 ; v1@5250.6,1619.09 5247.39,1622.3 5247.39,1994.24 5231.3,2010.33 5231.3,2081.69 5247.39,2097.79 5247.39,2222.87 v1@5250.6,2226.07 ; v1(5251.4,2226.07) 5251.4,2734.17 5263.29,2746.06 v1(5263.29,2795.28) ; v1(5334.65,3267.72) 5499.51,3267.72 ; CN3.2@5453.52,7118.92 5408.46,7118.92 ; v1(5499.51,3042.81) v1(5499.51,3462.11) 5499.51,3730.32 ; v1(5499.92,2794.86) v1@5499.92,3038.88 ; v1(5563.48,3730.32) 5499.51,3730.32 ; v1(5684.05,1572.32) v1@5684.05,2182.57 ; v1(5684.06,2182.58) 5730.81,2182.58 5784.94,2236.71 v1(6099.9,2236.71) ; v1(5723.36,6655.92) v1(5723.43,6163.88) v1(5723.43,6163.88) 5723.43,6039.55 v2(5803.55,5959.43) ; v1(5777.56,3730.32) 5829.23,3678.64 v1(5829.23,3250.49) ; 5797.24,5824.31 5734.87,5886.68 5730.81,5886.68 ; v2(5810.62,5669.51) v2(5662.13,5818) 5730.81,5886.68 ; v2(5952.04,5810.93) v2(5803.55,5959.43) ; 5408.46,7118.92 5408.46,5684.06 5568.34,5524.18 v1(5568.34,4431.59) 5568.34,4064.89 5499.51,3996.06 5499.51,3730.32 ; 5730.81,5886.68 v2(5803.55,5959.43)